# KiCad board main.kicad_pcb
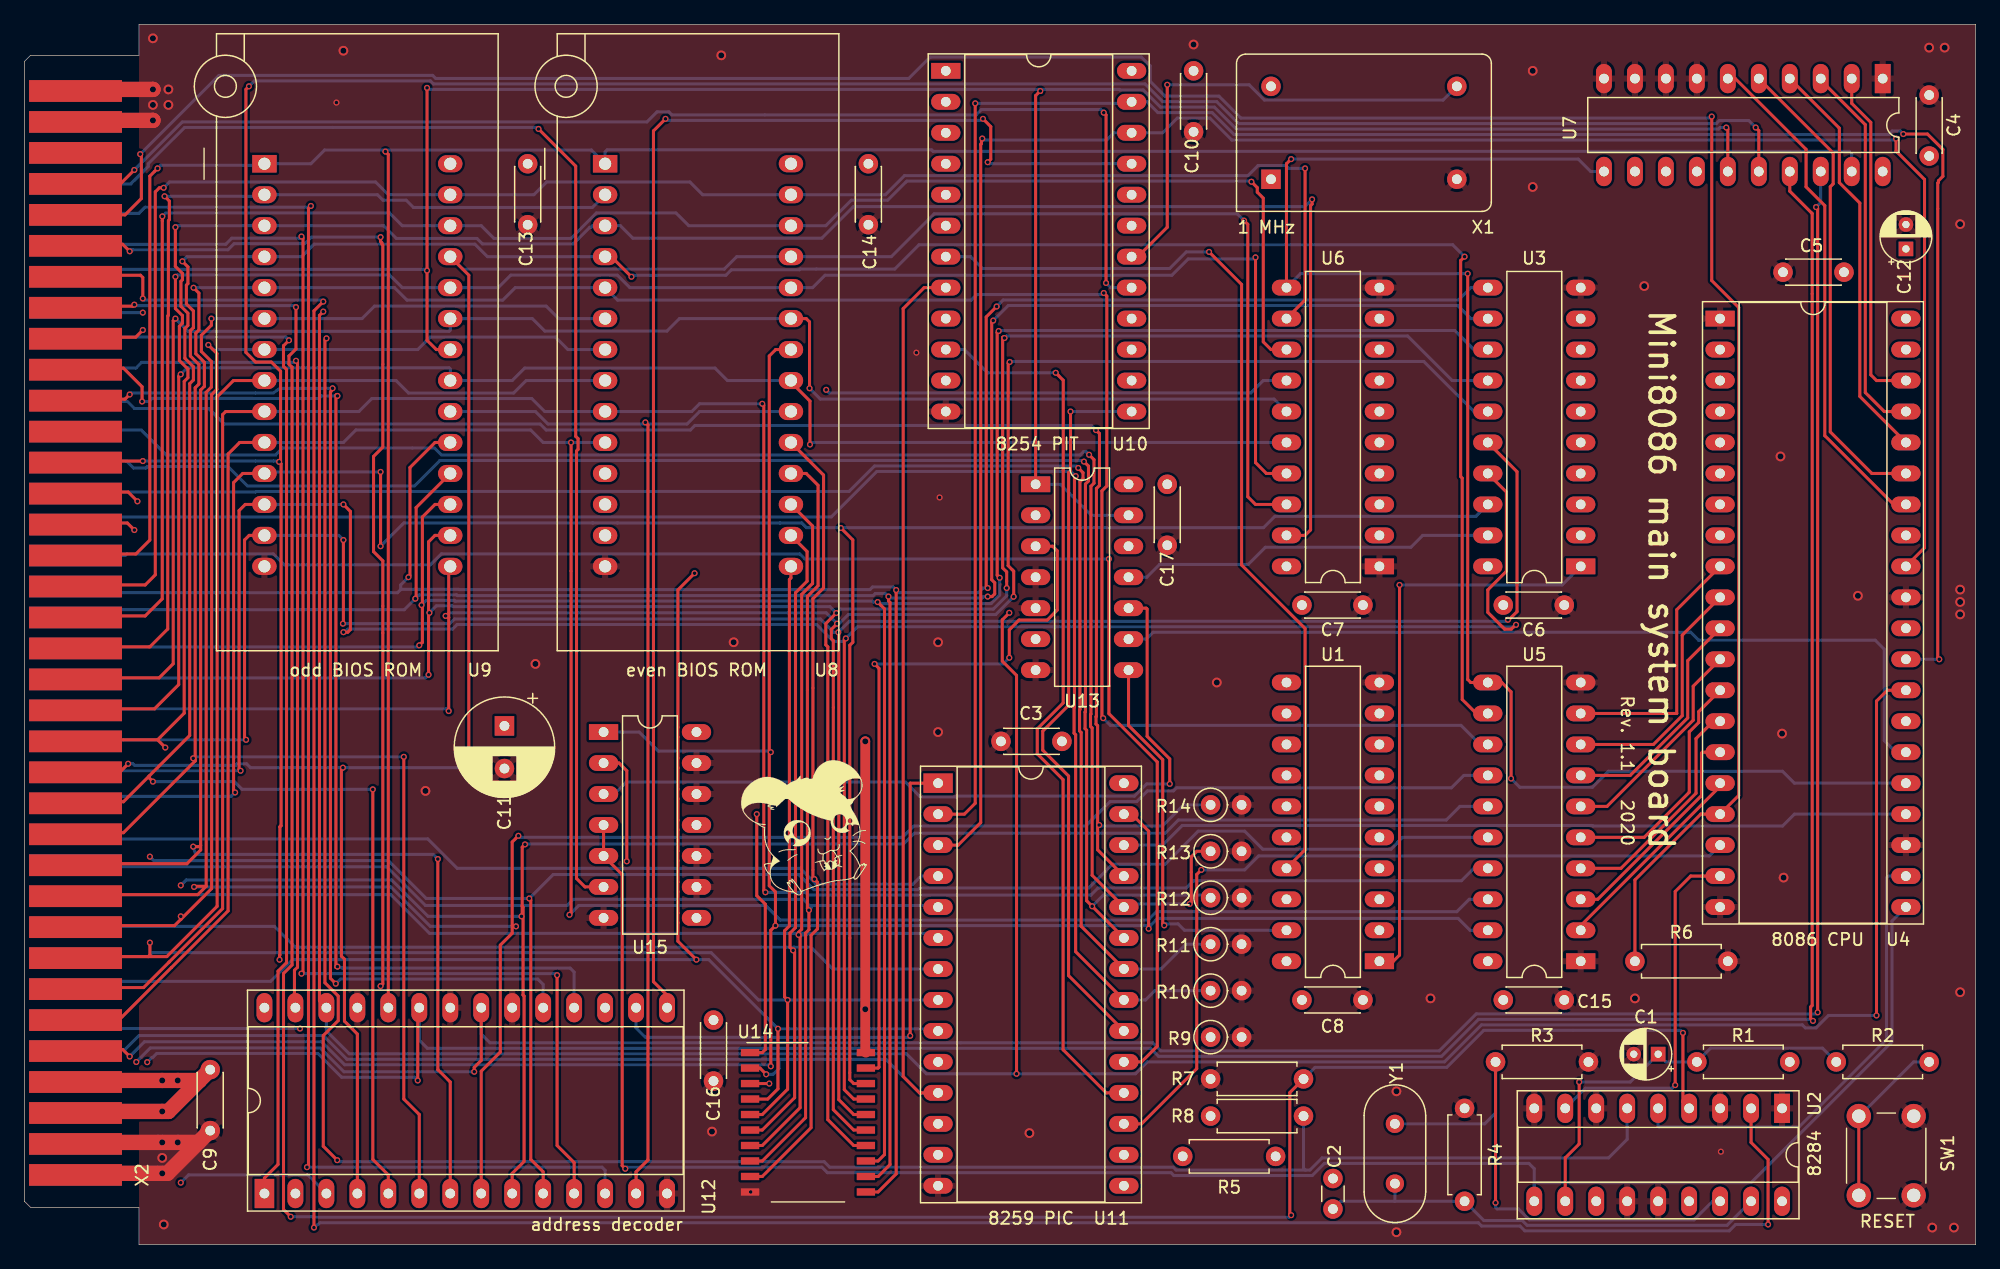
[diagram p0: board, top side]
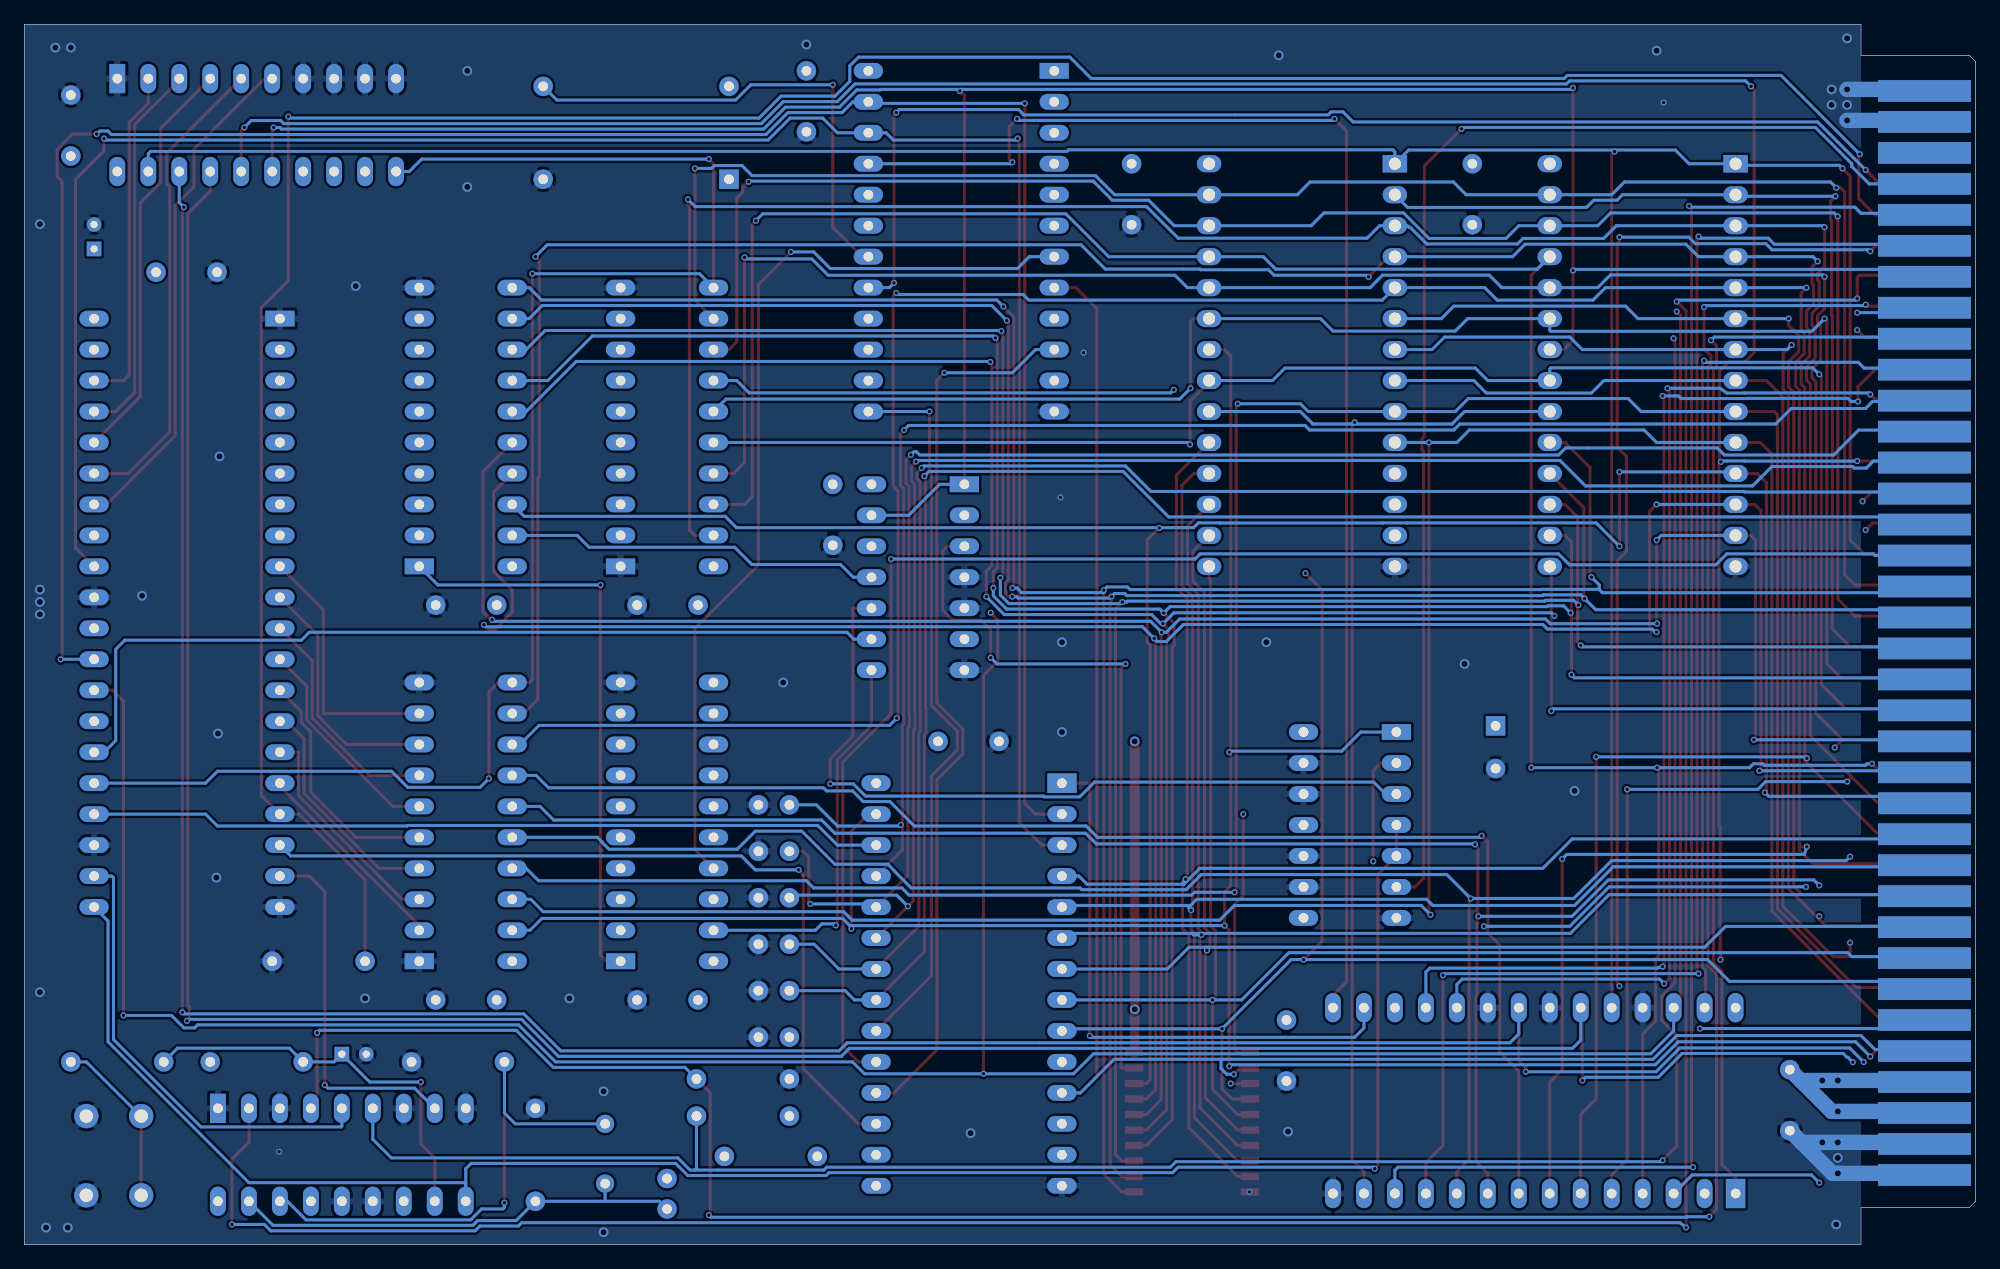
[diagram p1: board, bottom side, seen from below]

Outline 160.02 x 100.08 mm; copper layers: Top, In1.Cu, In2.Cu (plane), Bottom. Coordinates in mm from the lower left corner of the outline.
Outline path: 0,97.03 0,3.56 0.51,3.05 9.4,3.05 9.4,0 160.02,0 160.02,100.08 9.4,100.08 9.4,97.54 0.51,97.54 0,97.03

## Placement (name value [footprint] x y rotation side)
C1  10µ  [CP_Radial_D4.0mm_P2.00mm]  133.99 15.62 180 top
C2  30p  [C_Disc_D3.0mm_W1.6mm_P2.50mm]  107.31 2.92 90 top
C3  100n  [C_Disc_D4.3mm_W1.9mm_P5.00mm]  85.09 41.27 180 top
C4  100n  [C_Disc_D4.3mm_W1.9mm_P5.00mm]  156.21 89.28 90 top
C5  100n  [C_Disc_D4.3mm_W1.9mm_P5.00mm]  149.23 79.76 180 top
C6  100n  [C_Disc_D4.3mm_W1.9mm_P5.00mm]  121.28 52.45 0 top
C7  100n  [C_Disc_D4.3mm_W1.9mm_P5.00mm]  104.78 52.45 0 top
C8  100n  [C_Disc_D4.3mm_W1.9mm_P5.00mm]  104.78 20.07 0 top
C9  100n  [C_Disc_D4.3mm_W1.9mm_P5.00mm]  15.24 14.35 270 top
C10  100n  [C_Disc_D4.3mm_W1.9mm_P5.00mm]  95.89 96.27 270 top
C11  100µ  [CP_Radial_D8.0mm_P3.50mm]  39.37 42.55 270 top
C12  47µ  [CP_Radial_D4.0mm_P2.00mm]  154.31 81.66 90 top
C13  100n  [C_Disc_D4.3mm_W1.9mm_P5.00mm]  41.27 88.65 270 top
C14  100n  [C_Disc_D4.3mm_W1.9mm_P5.00mm]  69.22 88.65 270 top
C15  100n  [C_Disc_D4.3mm_W1.9mm_P5.00mm]  121.28 20.07 0 top
C16  100n  [C_Disc_D4.3mm_W1.9mm_P5.00mm]  56.52 18.41 270 top
C17  100n  [C_Disc_D4.3mm_W1.9mm_P5.00mm]  93.73 62.36 270 top
G***  LOGO  [hamtaro]  65.15 34.29 0 top
R1  4K7  [R_Axial_DIN0207_L6.3mm_D2.5mm_P7.62mm_Horizontal]  137.16 14.99 0 top
R2  39  [R_Axial_DIN0207_L6.3mm_D2.5mm_P7.62mm_Horizontal]  156.21 14.99 180 top
R3  510  [R_Axial_DIN0207_L6.3mm_D2.5mm_P7.62mm_Horizontal]  128.27 14.99 180 top
R4  510  [R_Axial_DIN0207_L6.3mm_D2.5mm_P7.62mm_Horizontal]  118.11 11.18 270 top
R5  4K7  [R_Axial_DIN0207_L6.3mm_D2.5mm_P7.62mm_Horizontal]  102.62 7.24 180 top
R6  4K7  [R_Axial_DIN0207_L6.3mm_D2.5mm_P7.62mm_Horizontal]  132.08 23.24 0 top
R7  4K7  [R_Axial_DIN0207_L6.3mm_D2.5mm_P7.62mm_Horizontal]  97.28 13.59 0 top
R8  4K7  [R_Axial_DIN0207_L6.3mm_D2.5mm_P7.62mm_Horizontal]  97.28 10.54 0 top
R9  3K3  [R_Axial_DIN0207_L6.3mm_D2.5mm_P2.54mm_Vertical]  97.28 17.02 0 top
R10  3K3  [R_Axial_DIN0207_L6.3mm_D2.5mm_P2.54mm_Vertical]  97.28 20.83 0 top
R11  3K3  [R_Axial_DIN0207_L6.3mm_D2.5mm_P2.54mm_Vertical]  97.28 24.64 0 top
R12  3K3  [R_Axial_DIN0207_L6.3mm_D2.5mm_P2.54mm_Vertical]  97.28 28.45 0 top
R13  3K3  [R_Axial_DIN0207_L6.3mm_D2.5mm_P2.54mm_Vertical]  97.28 32.26 0 top
R14  3K3  [R_Axial_DIN0207_L6.3mm_D2.5mm_P2.54mm_Vertical]  97.28 36.07 0 top
SW1  SW_Push  [SW_PUSH_6mm]  154.94 10.54 270 top
U1  74HC245  [DIP-20_W7.62mm_LongPads]  111.12 23.24 180 top
U2  8284  [DIP-18_W7.62mm_Socket_LongPads]  144.15 11.18 270 top
U3  74HC245  [DIP-20_W7.62mm_LongPads]  127.64 55.63 180 top
U4  8086  [DIP-40_W15.24mm_Socket_LongPads]  139.06 75.95 0 top
U5  74HC573  [DIP-20_W7.62mm_LongPads]  127.64 23.24 180 top
U6  74HC573  [DIP-20_W7.62mm_LongPads]  111.12 55.63 180 top
U7  74HC573  [DIP-20_W7.62mm_LongPads]  152.4 95.63 270 top
U8  27C512  [DIP_Socket-28_W11.9_W12.7_W15.24_W17.78_W18.5_3M_228-1277-00-0602J]  47.63 88.65 0 top
U9  27C512  [DIP_Socket-28_W11.9_W12.7_W15.24_W17.78_W18.5_3M_228-1277-00-0602J]  19.69 88.65 0 top
U10  8254  [DIP-24_W15.24mm_Socket_LongPads]  75.56 96.27 0 top
U11  8259  [DIP-28_W15.24mm_Socket_LongPads]  74.93 37.85 0 top
U12  27C512  [DIP-28_W15.24mm_Socket_LongPads]  19.69 4.19 90 top
U13  74HC32  [DIP-14_W7.62mm_LongPads]  82.93 62.36 0 top
U14  74HC245  [SO-20_12.8x7.5mm_P1.27mm]  64.26 10.03 0 top
U15  74HC08  [DIP-14_W7.62mm_LongPads]  47.5 42.04 0 top
X1  1 MHz  [Oscillator_DIP-14]  102.24 87.38 0 top
X2  Edge72  [BUS_72]  4.19 5.72 270 top
Y1  30 MHz  [Crystal_HC18-U_Vertical]  112.4 9.91 270 top

## Library data of the parts
C2-C10 C13-C17 = -: Description: Unpolarized capacitor
R1-R8 = -: Description: Resistor
R9-R14 = -: Description: Resistor, small symbol
SW1 = -: Description: Push button switch, generic, two pins
U1 U3 U14 = -: Description: Octal BUS Transceivers, 3-State outputs
U4 = -: Description: 8086 (minimum mode), 16-Bit HMOS Microprocessor, PDIP-40
U5-U7 = -: Description: 8-bit Latch 3-state outputs
U8 U9 U12 = -: Description: OTP EPROM 512 KiBit
U11 = -: Description: 8259, Programmable Interrupt Controller, PDIP-28
U13 = -: Description: Quad 2-input OR
U15 = -: Description: Quad And2
X1 = -: Description: Crystal Clock Oscillator, DIP14-style metal package
Y1 = -: Description: Two pin crystal

## Footprints (pads in the part's own frame, mm; a bottom-side part is the same pattern mirrored in y, then rotated)
BUS_72
  rect 1.78x7.62 smd: 1(0,0) 2(-2.54,0) 3(-5.08,0) 4(-7.62,0) 5(-10.16,0) 6(-12.7,0) 7(-15.24,0) 8(-17.78,0) 9(-20.32,0) 10(-22.86,0) 11(-25.4,0) 12(-27.94,0) 13(-30.48,0) 14(-33.02,0) 15(-35.56,0) 16(-38.1,0) 17(-40.64,0) 18(-43.18,0) 19(-45.72,0) 20(-48.26,0) 21(-50.8,0) 22(-53.34,0) 23(-55.88,0) 24(-58.42,0) 25(-60.96,0) 26(-63.5,0) 27(-66.04,0) 28(-68.58,0) 29(-71.12,0) 30(-73.66,0) 31(-76.2,0) 32(-78.74,0) 33(-81.28,0) 34(-83.82,0) 35(-86.36,0) 36(-88.9,0)
  rect 1.78x7.62 smd far side: 37(0,0) 38(-2.54,0) 39(-5.08,0) 40(-7.62,0) 41(-10.16,0) 42(-12.7,0) 43(-15.24,0) 44(-17.78,0) 45(-20.32,0) 46(-22.86,0) 47(-25.4,0) 48(-27.94,0) 49(-30.48,0) 50(-33.02,0) 51(-35.56,0) 52(-38.1,0) 53(-40.64,0) 54(-43.18,0) 55(-45.72,0) 56(-48.26,0) 57(-50.8,0) 58(-53.34,0) 59(-55.88,0) 60(-58.42,0) 61(-60.96,0) 62(-63.5,0) 63(-66.04,0) 64(-68.58,0) 65(-71.12,0) 66(-73.66,0) 67(-76.2,0) 68(-78.74,0) 69(-81.28,0) 70(-83.82,0) 71(-86.36,0) 72(-88.9,0)
C_Disc_D3.0mm_W1.6mm_P2.50mm
  round 1.6 hole 0.8: 1(0,0) 2(2.5,0)
C_Disc_D4.3mm_W1.9mm_P5.00mm
  round 1.6 hole 0.8: 1(0,0) 2(5,0)
CP_Radial_D4.0mm_P2.00mm
  rect 1.2x1.2 hole 0.6: 1(0,0)
  round 1.2 hole 0.6: 2(2,0)
CP_Radial_D8.0mm_P3.50mm
  rect 1.6x1.6 hole 0.8: 1(0,0)
  round 1.6 hole 0.8: 2(3.5,0)
Crystal_HC18-U_Vertical
  round 1.5 hole 0.8: 1(0,0) 2(4.9,0)
DIP-14_W7.62mm_LongPads
  rect 2.4x1.3 hole 0.8: 1(0,0)
  oval 2.4x1.3 hole 0.8: 2(0,-2.54) 3(0,-5.08) 4(0,-7.62) 5(0,-10.16) 6(0,-12.7) 7(0,-15.24) 8(7.62,-15.24) 9(7.62,-12.7) 10(7.62,-10.16) 11(7.62,-7.62) 12(7.62,-5.08) 13(7.62,-2.54) 14(7.62,0)
DIP-18_W7.62mm_Socket_LongPads
  rect 2.4x1.3 hole 0.8: 1(0,0)
  oval 2.4x1.3 hole 0.8: 2(0,-2.54) 3(0,-5.08) 4(0,-7.62) 5(0,-10.16) 6(0,-12.7) 7(0,-15.24) 8(0,-17.78) 9(0,-20.32) 10(7.62,-20.32) 11(7.62,-17.78) 12(7.62,-15.24) 13(7.62,-12.7) 14(7.62,-10.16) 15(7.62,-7.62) 16(7.62,-5.08) 17(7.62,-2.54) 18(7.62,0)
DIP-20_W7.62mm_LongPads
  rect 2.4x1.3 hole 0.8: 1(0,0)
  oval 2.4x1.3 hole 0.8: 2(0,-2.54) 3(0,-5.08) 4(0,-7.62) 5(0,-10.16) 6(0,-12.7) 7(0,-15.24) 8(0,-17.78) 9(0,-20.32) 10(0,-22.86) 11(7.62,-22.86) 12(7.62,-20.32) 13(7.62,-17.78) 14(7.62,-15.24) 15(7.62,-12.7) 16(7.62,-10.16) 17(7.62,-7.62) 18(7.62,-5.08) 19(7.62,-2.54) 20(7.62,0)
DIP-24_W15.24mm_Socket_LongPads
  rect 2.4x1.3 hole 0.8: 1(0,0)
  oval 2.4x1.3 hole 0.8: 2(0,-2.54) 3(0,-5.08) 4(0,-7.62) 5(0,-10.16) 6(0,-12.7) 7(0,-15.24) 8(0,-17.78) 9(0,-20.32) 10(0,-22.86) 11(0,-25.4) 12(0,-27.94) 13(15.24,-27.94) 14(15.24,-25.4) 15(15.24,-22.86) 16(15.24,-20.32) 17(15.24,-17.78) 18(15.24,-15.24) 19(15.24,-12.7) 20(15.24,-10.16) 21(15.24,-7.62) 22(15.24,-5.08) 23(15.24,-2.54) 24(15.24,0)
DIP-28_W15.24mm_Socket_LongPads
  rect 2.4x1.6 hole 0.8: 1(0,0)
  oval 2.4x1.3 hole 0.8: 2(0,-2.54) 3(0,-5.08) 4(0,-7.62) 5(0,-10.16) 6(0,-12.7) 7(0,-15.24) 8(0,-17.78) 9(0,-20.32) 10(0,-22.86) 11(0,-25.4) 12(0,-27.94) 13(0,-30.48) 14(0,-33.02) 15(15.24,-33.02) 16(15.24,-30.48) 17(15.24,-27.94) 18(15.24,-25.4) 19(15.24,-22.86) 20(15.24,-20.32) 21(15.24,-17.78) 22(15.24,-15.24) 23(15.24,-12.7) 24(15.24,-10.16) 25(15.24,-7.62) 26(15.24,-5.08) 27(15.24,-2.54) 28(15.24,0)
DIP-40_W15.24mm_Socket_LongPads
  rect 2.4x1.3 hole 0.8: 1(0,0)
  oval 2.4x1.3 hole 0.8: 2(0,-2.54) 3(0,-5.08) 4(0,-7.62) 5(0,-10.16) 6(0,-12.7) 7(0,-15.24) 8(0,-17.78) 9(0,-20.32) 10(0,-22.86) 11(0,-25.4) 12(0,-27.94) 13(0,-30.48) 14(0,-33.02) 15(0,-35.56) 16(0,-38.1) 17(0,-40.64) 18(0,-43.18) 19(0,-45.72) 20(0,-48.26) 21(15.24,-48.26) 22(15.24,-45.72) 23(15.24,-43.18) 24(15.24,-40.64) 25(15.24,-38.1) 26(15.24,-35.56) 27(15.24,-33.02) 28(15.24,-30.48) 29(15.24,-27.94) 30(15.24,-25.4) 31(15.24,-22.86) 32(15.24,-20.32) 33(15.24,-17.78) 34(15.24,-15.24) 35(15.24,-12.7) 36(15.24,-10.16) 37(15.24,-7.62) 38(15.24,-5.08) 39(15.24,-2.54) 40(15.24,0)
DIP_Socket-28_W11.9_W12.7_W15.24_W17.78_W18.5_3M_228-1277-00-0602J
  rect 2x1.44 hole 1: 1(0,0)
  oval 2x1.4 hole 1: 2(0,-2.54) 3(0,-5.08) 4(0,-7.62) 5(0,-10.16) 6(0,-12.7) 7(0,-15.24) 8(0,-17.78) 9(0,-20.32) 10(0,-22.86) 11(0,-25.4) 12(0,-27.94) 13(0,-30.48) 14(0,-33.02) 15(15.24,-33.02) 16(15.24,-30.48) 17(15.24,-27.94) 18(15.24,-25.4) 19(15.24,-22.86) 20(15.24,-20.32) 21(15.24,-17.78) 22(15.24,-15.24) 23(15.24,-12.7) 24(15.24,-10.16) 25(15.24,-7.62) 26(15.24,-5.08) 27(15.24,-2.54) 28(15.24,0)
Oscillator_DIP-14
  rect 1.6x1.6 hole 0.8: 1(0,0)
  round 1.6 hole 0.8: 7(15.24,0) 8(15.24,7.62) 14(0,7.62)
R_Axial_DIN0207_L6.3mm_D2.5mm_P2.54mm_Vertical
  round 1.6 hole 0.8: 1(0,0)
  oval 1.6x1.6 hole 0.8: 2(2.54,0)
R_Axial_DIN0207_L6.3mm_D2.5mm_P7.62mm_Horizontal
  round 1.6 hole 0.8: 1(0,0)
  oval 1.6x1.6 hole 0.8: 2(7.62,0)
SO-20_12.8x7.5mm_P1.27mm
  rect 1.5x0.6 smd: 1(-4.75,5.715) 2(-4.75,4.445) 3(-4.75,3.175) 4(-4.75,1.905) 5(-4.75,0.635) 6(-4.75,-0.635) 7(-4.75,-1.905) 8(-4.75,-3.175) 9(-4.75,-4.445) 10(-4.75,-5.715) 11(4.75,-5.715) 12(4.75,-4.445) 13(4.75,-3.175) 14(4.75,-1.905) 15(4.75,-0.635) 16(4.75,0.635) 17(4.75,1.905) 18(4.75,3.175) 19(4.75,4.445) 20(4.75,5.715)
SW_PUSH_6mm
  round 2 hole 1.1: 1(0,0) 1(6.5,0) 2(0,-4.5) 2(6.5,-4.5)

## Nets
GND: C1.2 C3.2 C4.2 C5.2 C6.2 C7.2 C8.2 C9.2 C10.2 C11.2 C12.2 C13.2 C14.2 C15.2 C16.2 C17.2 R3.1 R4.1 R6.2 R7.1 R9.2 R10.2 R11.2 R12.2 R13.2 R14.2 SW1.1 U1.10 U2.1 U2.3 U2.7 U2.9 U2.13 U2.14 U3.10 U4.1 U4.20 U4.23 U4.31 U5.1 U5.10 U6.1 U6.10 U7.1 U7.7 U7.8 U7.9 U7.10 U8.14 U9.14 U10.12 U11.14 U12.14 U12.20 U12.22 U12.25 U13.4 U13.5 U13.7 U14.10 U15.7 U15.9 U15.10 U15.12 U15.13 X1.7 X2.1 X2.2 X2.35 X2.36 X2.37 X2.38 X2.71 X2.72
VCC: C2.2 C3.1 C4.1 C5.1 C6.1 C7.1 C8.1 C9.1 C10.1 C11.1 C12.1 C13.1 C14.1 C15.1 C16.1 C17.1 R1.2 R5.1 R8.1 U1.20 U2.18 U3.20 U4.33 U4.40 U5.20 U6.20 U7.20 U8.28 U9.28 U10.11 U10.14 U10.16 U10.24 U11.28 U12.28 U13.14 U14.20 U15.14 X1.1 X1.14 X2.3 X2.4 X2.39 X2.40
/CPU/ALE: U4.25 U5.11 U6.11 U7.11
/CPU/CLK: U2.8 U4.19
/CPU/CPU_RESET: U2.10 U4.21 U15.4 U15.5
/CPU/READY: U2.5 U4.22
/CPU/~{BHE_S7}: U4.34 U7.6
/CPU/~{CE_DHI}: U3.19 U13.11
/CPU/~{CE_DLO}: U1.19 U13.8
/CPU/~{RES}: C1.1 R1.1 R2.2 U2.11
/misc/~{CE_HI2LO}: U13.3 U14.19
/PIC TIMER/IRQ0: U10.10 U11.18
/PIC TIMER/IRQ2: U10.13 U11.20
A0: U5.19 U8.22 U10.19 U11.27 U15.1 X2.5
A1: U5.18 U8.10 U9.10 U10.20 X2.6
A2: U5.17 U8.9 U9.9 X2.7
A3: U5.16 U8.8 U9.8 U12.10 X2.8
A4: U5.15 U8.7 U9.7 U12.9 X2.9
A5: U5.14 U8.6 U9.6 U12.8 X2.10
A6: U5.13 U8.5 U9.5 U12.7 X2.11
A7: U5.12 U8.4 U9.4 U12.6 X2.12
A8: U6.19 U8.3 U9.3 U12.5 X2.13
A9: U6.18 U8.25 U9.25 U12.4 X2.14
A10: U6.17 U8.24 U9.24 U12.3 X2.15
A11: U6.16 U8.21 U9.21 X2.16
A12: U6.15 U8.23 U9.23 X2.17
A13: U6.14 U8.2 U9.2 X2.18
A14: U6.13 U8.26 U9.26 X2.19
A15: U6.12 U8.27 U9.27 X2.20
A16: U7.19 U8.1 U9.1 U12.24 X2.21
A17: U7.18 U12.21 X2.22
A18: U7.17 U12.23 X2.23
A19: U7.16 U12.2 X2.24
AD0: U1.2 U4.16 U5.2
AD1: U1.3 U4.15 U5.3
AD2: U1.4 U4.14 U5.4
AD3: U1.5 U4.13 U5.5
AD4: U1.6 U4.12 U5.6
AD5: U1.7 U4.11 U5.7
AD6: U1.8 U4.10 U5.8
AD7: U1.9 U4.9 U5.9
AD8: U3.2 U4.8 U6.2
AD9: U3.3 U4.7 U6.3
AD10: U3.4 U4.6 U6.4
AD11: U3.5 U4.5 U6.5
AD12: U3.6 U4.4 U6.6
AD13: U3.7 U4.3 U6.7
AD14: U3.8 U4.2 U6.8
AD15: U3.9 U4.39 U6.9
AD16: U4.38 U7.2
AD17: U4.37 U7.3
AD18: U4.36 U7.4
AD19: U4.35 U7.5
D0: U1.18 U8.11 U10.8 U11.11 U14.2 X2.41
D1: U1.17 U8.12 U10.7 U11.10 U14.3 X2.42
D2: U1.16 U8.13 U10.6 U11.9 U14.4 X2.43
D3: U1.15 U8.15 U10.5 U11.8 U14.5 X2.44
D4: U1.14 U8.16 U10.4 U11.7 U14.6 X2.45
D5: U1.13 U8.17 U10.3 U11.6 U14.7 X2.46
D6: U1.12 U8.18 U10.2 U11.5 U14.8 X2.47
D7: U1.11 U8.19 U10.1 U11.4 U14.9 X2.48
D8: U3.18 U9.11 U14.18 X2.49
D9: U3.17 U9.12 U14.17 X2.50
D10: U3.16 U9.13 U14.16 X2.51
D11: U3.15 U9.15 U14.15 X2.52
D12: U3.14 U9.16 U14.14 X2.53
D13: U3.13 U9.17 U14.13 X2.54
D14: U3.12 U9.18 U14.12 X2.55
D15: U3.11 U9.19 U14.11 X2.56
DT_~{R}: U1.1 U3.1 U4.27
INT: U4.18 U11.17
IRQ1: R9.1 U11.19 X2.57
IRQ3: R10.1 U11.21 X2.58
IRQ4: R11.1 U11.22 X2.59
IRQ5: R12.1 U11.23 X2.60
IRQ6: R13.1 U11.24 X2.61
IRQ7: R14.1 U11.25 X2.62
M_~{IO}: U4.28 U12.26 U13.2 X2.65
NMI: R6.1 U4.17 X2.32
PCLK: U2.2 X2.30
RDY1: R8.2 U2.6 X2.28
RDY2: R7.2 U2.4 X2.29
RESET: U15.6 X2.69
TMR2: U10.17 X2.33
~{BHE}: U7.15 U9.22 U13.1 U13.13 X2.66
~{DEN}: U4.26 U13.9 U13.12
~{INTA}: U4.24 U11.26 U15.2
~{IO_DBG}: U12.17 X2.31
~{IO_PIC}: U11.1 U12.16
~{IO_TIMER}: U10.21 U12.15
~{MEMRD}: U12.11 X2.67
~{MEMWR}: U12.12 X2.68
~{RD}: U4.32 U10.22 U11.3 U12.27 X2.63
~{ROMRD}: U8.20 U9.20 U12.13
~{VGA_IO}: U12.19 X2.26
~{VGA_MEM}: U12.18 X2.27
~{WR}: U4.29 U10.23 U11.2 U12.1 U14.1 X2.64
Net-(R2-Pad1): R2.1 SW1.2
Net-(U2-X1): C2.1 R4.2 U2.17 Y1.2
Net-(U2-X2): R3.2 U2.16 Y1.1
Net-(U10-CLK0): U10.9 U10.15 U10.18 X1.8
Net-(U11-~{SP}/~{EN}): R5.2 U11.16
Net-(U13-Pad10): U13.10 U15.3

Pads without a net: U2 12 15; U4 30; U7 12 13 14; U11 12 13 15; U13 6; U15 8 11; X2 25 34 70

## Via types
v1: diameter 0.8, hole 0.5, Top to Bottom, 47 vias
v2: diameter 0.5, hole 0.3, Top to Bottom, 203 vias

## Routing (per net, layer and track width the routed paths; a pad name or vN(x,y) marks a point on that pad's centre or on a via; arc(x,y) is an arc through that point)
GND: length 71.6
  Top w1.25: 14.27,8.38 v1(12.57,8.38) 4.06,8.38 ; 14.27,8.38 C9.2 ; 14.27,8.38 11.73,5.84 v1(11.3,5.84) 4.06,5.84 ; 4.06,94.74 v1(10.54,94.74) ; 4.06,92.2 v1(10.54,92.2)
  Bottom w1.25: 14.27,8.38 v1(11.3,8.38) 4.06,8.38 ; 14.27,8.38 C9.2 ; 14.27,8.38 11.73,5.84 v1(11.3,5.84) 4.06,5.84 ; 4.06,92.2 v1(10.54,92.2) ; 4.06,94.74 v1(10.54,94.74)
  vias: v1(10.54,98.93) v1(10.54,93.47) v1(11.3,7.11) v1(11.43,1.65) v1(11.81,94.74) v1(11.81,93.47) v1(26.16,97.92) v1(32.89,37.21) v1(41.91,47.62) v1(56.39,9.27) v1(57.15,97.54) v1(58.17,49.4) v1(74.93,49.4) v1(74.93,42.04) v1(82.42,9.14) v1(95.89,98.42) v1(97.79,46.1) v1(112.52,12.57) v1(112.52,1.02) v1(115.32,20.19) v1(123.7,96.27) v1(123.7,86.74) v1(132.08,20.19) v1(132.84,78.61) v1(144.02,64.64) v1(144.15,41.91) v1(144.27,30.1) v1(150.37,53.21) v1(156.21,98.17) v1(156.46,1.4) v1(157.48,98.17) v1(158.24,1.4) v1(158.75,83.69) v1(158.75,53.72) v1(158.75,52.7) v1(158.75,51.69) v1(158.75,20.7) v2(25.59,93.66) v2(59.56,4.32) v2(73.15,73.15) v2(75.06,61.28) v2(139.13,7.62)
VCC: length 677
  Top w0.8: U14.20 68.96,15.8 v1(68.96,19.3) v1(68.96,41.27)
  Top w1.25: 14.35,13.46 v1(12.57,13.46) v1(11.3,13.46) 4.06,13.46 ; 14.35,13.46 C9.1 ; 14.35,13.46 11.81,10.92 v1(11.3,10.92) 4.06,10.92
  In1.Cu w0.25: U4.33 155.58,58.17 155.83,58.42 155.83,74.42 U4.40 ; 98.3,76.33 97.92,75.95 U10.16 ; 98.3,70.74 98.17,70.87 U10.14 U10.11
  In1.Cu w0.4: R8.1 100.58,7.24 R5.1 107.19,7.24 107.31,7.11
  In1.Cu w0.8: v1(68.96,41.27) 68.96,45.08 ; v1(68.96,19.3) 68.87,19.21 57.31,19.21 C16.1 ; U15.14 55.12,44.96 54.99,45.08
  In1.Cu w1.25: U4.40 154.31,79.5 ; 154.31,79.5 C12.1 ; 154.31,79.5 154.05,79.76 152.02,79.76 ; 152.02,79.76 152.4,80.14 U7.20 153.67,89.28 C4.1 ; 152.02,79.76 C5.1 ; 103.51,23.24 103.51,21.34 C8.1 107.31,17.53 C2.2 ; U5.20 120.02,21.34 C15.1 121.28,18.54 121.39,18.44 ; U11.28 90.17,41.78 ; 90.17,41.78 90.17,45.08 ; 90.17,41.78 89.66,41.27 C3.1 ; 121.39,18.44 140.69,18.44 141.1,18.03 ; 121.39,18.44 106.4,18.44 ; U2.18 146.3,5.72 146.3,13.46 R1.2 ; C6.1 120.14,52.45 120.02,52.32 ; 103.51,52.32 103.51,49.78 103.89,49.4 ; 103.51,52.32 103.63,52.45 C7.1 ; 103.51,52.32 103.51,55.63 ; 120.02,52.32 120.02,50.04 120.65,49.4 ; 120.02,52.32 U3.20 ; 102.11,82.93 102.24,83.06 X1.1 X1.14 100.97,96.27 C10.1 U10.24 ; U12.28 15.24,19.43 ; 98.3,62.86 97.79,62.36 C17.1 U13.14
  In1.Cu w1.75: v1(11.3,13.46) 14.35,13.46 C9.1 ; v1(11.3,10.92) 11.81,10.92 C9.1 ; 98.3,49.4 131.57,49.4 134.37,46.61 134.37,24.77 144.15,14.99 R1.2 ; 98.3,49.4 98.3,80.39 100.84,82.93 146.05,82.93 C5.1 ; 98.3,49.4 93.98,45.08 39.37,45.08 ; C9.1 15.24,41.78 18.54,45.08 39.37,45.08 ; 39.37,45.08 C11.1 ; 39.37,45.08 39.37,88.77 ; 39.37,88.77 35.05,88.77 U9.28 ; 39.37,88.77 39.5,88.65 C13.1 43.43,90.81 60.71,90.81 U8.28 C14.1
  Bottom w1.25: 14.35,13.46 11.81,10.92 4.06,10.92 ; 14.35,13.46 C9.1 ; 14.35,13.46 4.06,13.46
/CPU/ALE: length 130.1
  Top w0.25: v2(103.89,89.03) 103.51,88.65 103.51,78.49 ; v2(121.92,38.23) 121.92,45.34 121.16,46.1 U5.11 118.62,46.1 118.36,46.35 v2(118.36,79.63)
  Bottom w0.25: v2(118.36,79.63) 104.65,79.63 103.51,78.49 ; U7.11 128.45,88.01 127.44,89.03 v2(103.89,89.03) ; U4.25 145.16,37.85 144.19,38.82 129.9,38.82 128.59,37.51 122.64,37.51 v2(121.92,38.23)
/CPU/CLK: length 29.9
  Top w0.25: v2(135.38,13.08) 135.38,28.96 136.65,30.23 U4.19
  Bottom w0.25: v2(135.38,13.08) 135.13,12.83 128.02,12.83 U2.8
/CPU/CPU_RESET: length 154.2
  Top w0.25: U15.4 U15.5 49.02,30.35 49.02,6.48 v2(49.28,6.23)
  Bottom w0.25: 154.31,27.69 153.16,26.54 153.16,16.64 141.61,5.08 123.83,5.08 U2.10 123.83,6.22 123.39,6.66 106.61,6.66 105.61,5.66 94.27,5.66 94.03,5.9 65.85,5.9 65.4,6.35 49.4,6.35 v2(49.28,6.23)
/CPU/READY: length 38.1
  Bottom w0.25: U2.5 133.99,9.73 134.06,9.65 145.54,9.65 152.71,16.82 152.71,30.08 152.86,30.23 U4.22
/CPU/~{BHE_S7}: length 41.9
  Top w0.25: U4.34 153.29,60.71 147.65,66.35 147.65,85.22 146.11,86.75 146.11,89.83 140.31,95.63 U7.6
/CPU/~{CE_DHI}: length 30.9
  Bottom w0.25: U13.11 92.05,54.74 93.09,55.78 100.36,55.78 101.77,57.19 113.71,57.19 114.68,58.17 U3.19
/CPU/~{CE_DLO}: length 32.4
  Top w0.25: U13.8 90.55,42.58 93.36,39.77 93.36,26.31 v2(93.48,26.18)
  Bottom w0.25: v2(93.48,26.18) 93.61,26.31 94.62,26.31 95.14,25.78 103.51,25.78
/CPU/~{RES}: length 33.5
  Top w0.25: U2.11 126.37,7.11 127.51,8.25 v2(127.51,13.33)
  Bottom w0.25: R2.2 147.46,16.11 138.29,16.11 R1.1 134.62,14.99 C1.1 131.7,13.33 v2(127.51,13.33)
/misc/~{CE_HI2LO}: length 59.3
  Top w0.25: 69.01,14.48 70.01,14.48 70.09,14.55 70.09,47.26 v2(69.72,47.62) ; U13.3 84.33,57.28 84.71,56.9 84.71,52.05 83.88,51.22 81.57,51.22 80.77,50.42 v2(80.77,48.13)
  Bottom w0.25: v2(69.72,47.62) 80.26,47.62 v2(80.77,48.13)
/PIC TIMER/IRQ0: length 73.8
  Top w0.25: v2(84.58,71.5) 85.2,70.89 85.2,63.5 85.19,63.49 85.19,44.42 83.06,42.3 83.06,40.25 85.18,38.13 85.18,15.98 88.72,12.45 U11.18
  Bottom w0.25: v2(84.58,71.5) 78.99,71.5 77.09,73.41 75.56,73.41
/PIC TIMER/IRQ2: length 59.5
  Top w0.25: v2(85.79,68.33) 85.79,63.46 85.64,63.31 85.64,44.24 83.51,42.11 83.51,40.55 85.63,38.43 85.63,22.06 90.17,17.53
  Bottom w0.25: U10.13 v2(85.79,68.33)
A0: length 304.8
  Top w0.25: v2(61.21,14.63) 61.21,25.78 v2(61.6,26.16) 61.6,28.93 61.09,29.43 61.09,72.88 61.62,73.41 U8.22 ; U11.27 90.81,35.31 92.2,33.91 v2(92.2,25.91) ; 4.06,16 8.06,16 v2(8.64,15.43)
  In1.Cu w0.25: U8.22 60.96,73.41 54.37,66.81 46.9,66.81 44.95,64.86 44.95,55.27 47.44,52.78 64.32,52.78 70.38,58.84 70.38,75.71 71.59,76.92 78.9,76.92 79.46,76.36 80.68,76.36 87.89,83.57 90.81,83.57
  Bottom w0.25: v2(61.21,40.39) 61.13,40.47 51.98,40.47 50.42,42.04 U15.1 ; 92.33,26.16 v2(61.6,26.16) ; 92.33,26.16 92.2,26.03 v2(92.2,25.91) ; 92.33,26.16 92.92,26.76 117.58,26.76 118.55,25.78 U5.19 ; v2(8.64,15.43) 9.85,16.64 24.38,16.64 26.27,14.75 61.09,14.75 v2(61.21,14.63)
A1: length 282.7
  Top w0.25: v2(44.7,27.05) 44.83,27.18 v2(44.83,65.79) ; U9.10 17.65,65.79 16.71,64.84 16.71,27.37 12.06,22.72 8,18.67 4.19,18.67 4.06,18.54
  In1.Cu w0.25: U10.20 89.36,86.11 80.76,77.51 71.42,77.51 69.93,76.02 69.93,59.02 64.14,53.23 47.63,53.23 45.4,55.46 45.4,63.56 U8.10
  Bottom w0.25: U8.10 v2(44.83,65.79) 42.55,65.79 41.52,66.81 27.19,66.81 26.16,65.79 U9.10 ; v2(44.7,27.05) 45.47,27.81 60.8,27.81 62,26.61 92.14,26.61 92.84,27.3 117.48,27.3 118.49,28.32 U5.18
A2: length 201.3
  Top w0.25: v2(60.77,28.9) 60.64,29.03 60.64,68.84 v2(60.51,68.96) ; U9.9 16.51,68.33 16.26,68.07 16.26,27.56 11.87,23.17 11.87,23.17 9.78,21.08 4.06,21.08
  Bottom w0.25: U9.9 27.43,68.33 28.5,69.39 41.61,69.39 42.67,68.33 U8.9 54.74,68.33 55.37,68.96 v2(60.51,68.96) ; v2(60.77,28.9) 64.07,28.9 64.3,28.66 87.46,28.66 88.05,29.25 95.29,29.25 95.89,29.84 117.86,29.84 118.87,30.86 U5.17
A3: length 236.9
  Top w0.25: 10.16,23.62 10.29,23.75 v2(10.29,24.77) ; 10.16,23.62 11.68,23.62 15.81,27.75 15.81,69.53 17.15,70.87 U9.8 ; 10.16,23.62 4.06,23.62 ; U12.10 42.55,5.97 41.53,6.98 41.53,28.26 v2(41.4,28.39)